# Altium PCB Fastino-DIOT.PCBDOC (part 11 of 22) (continued)
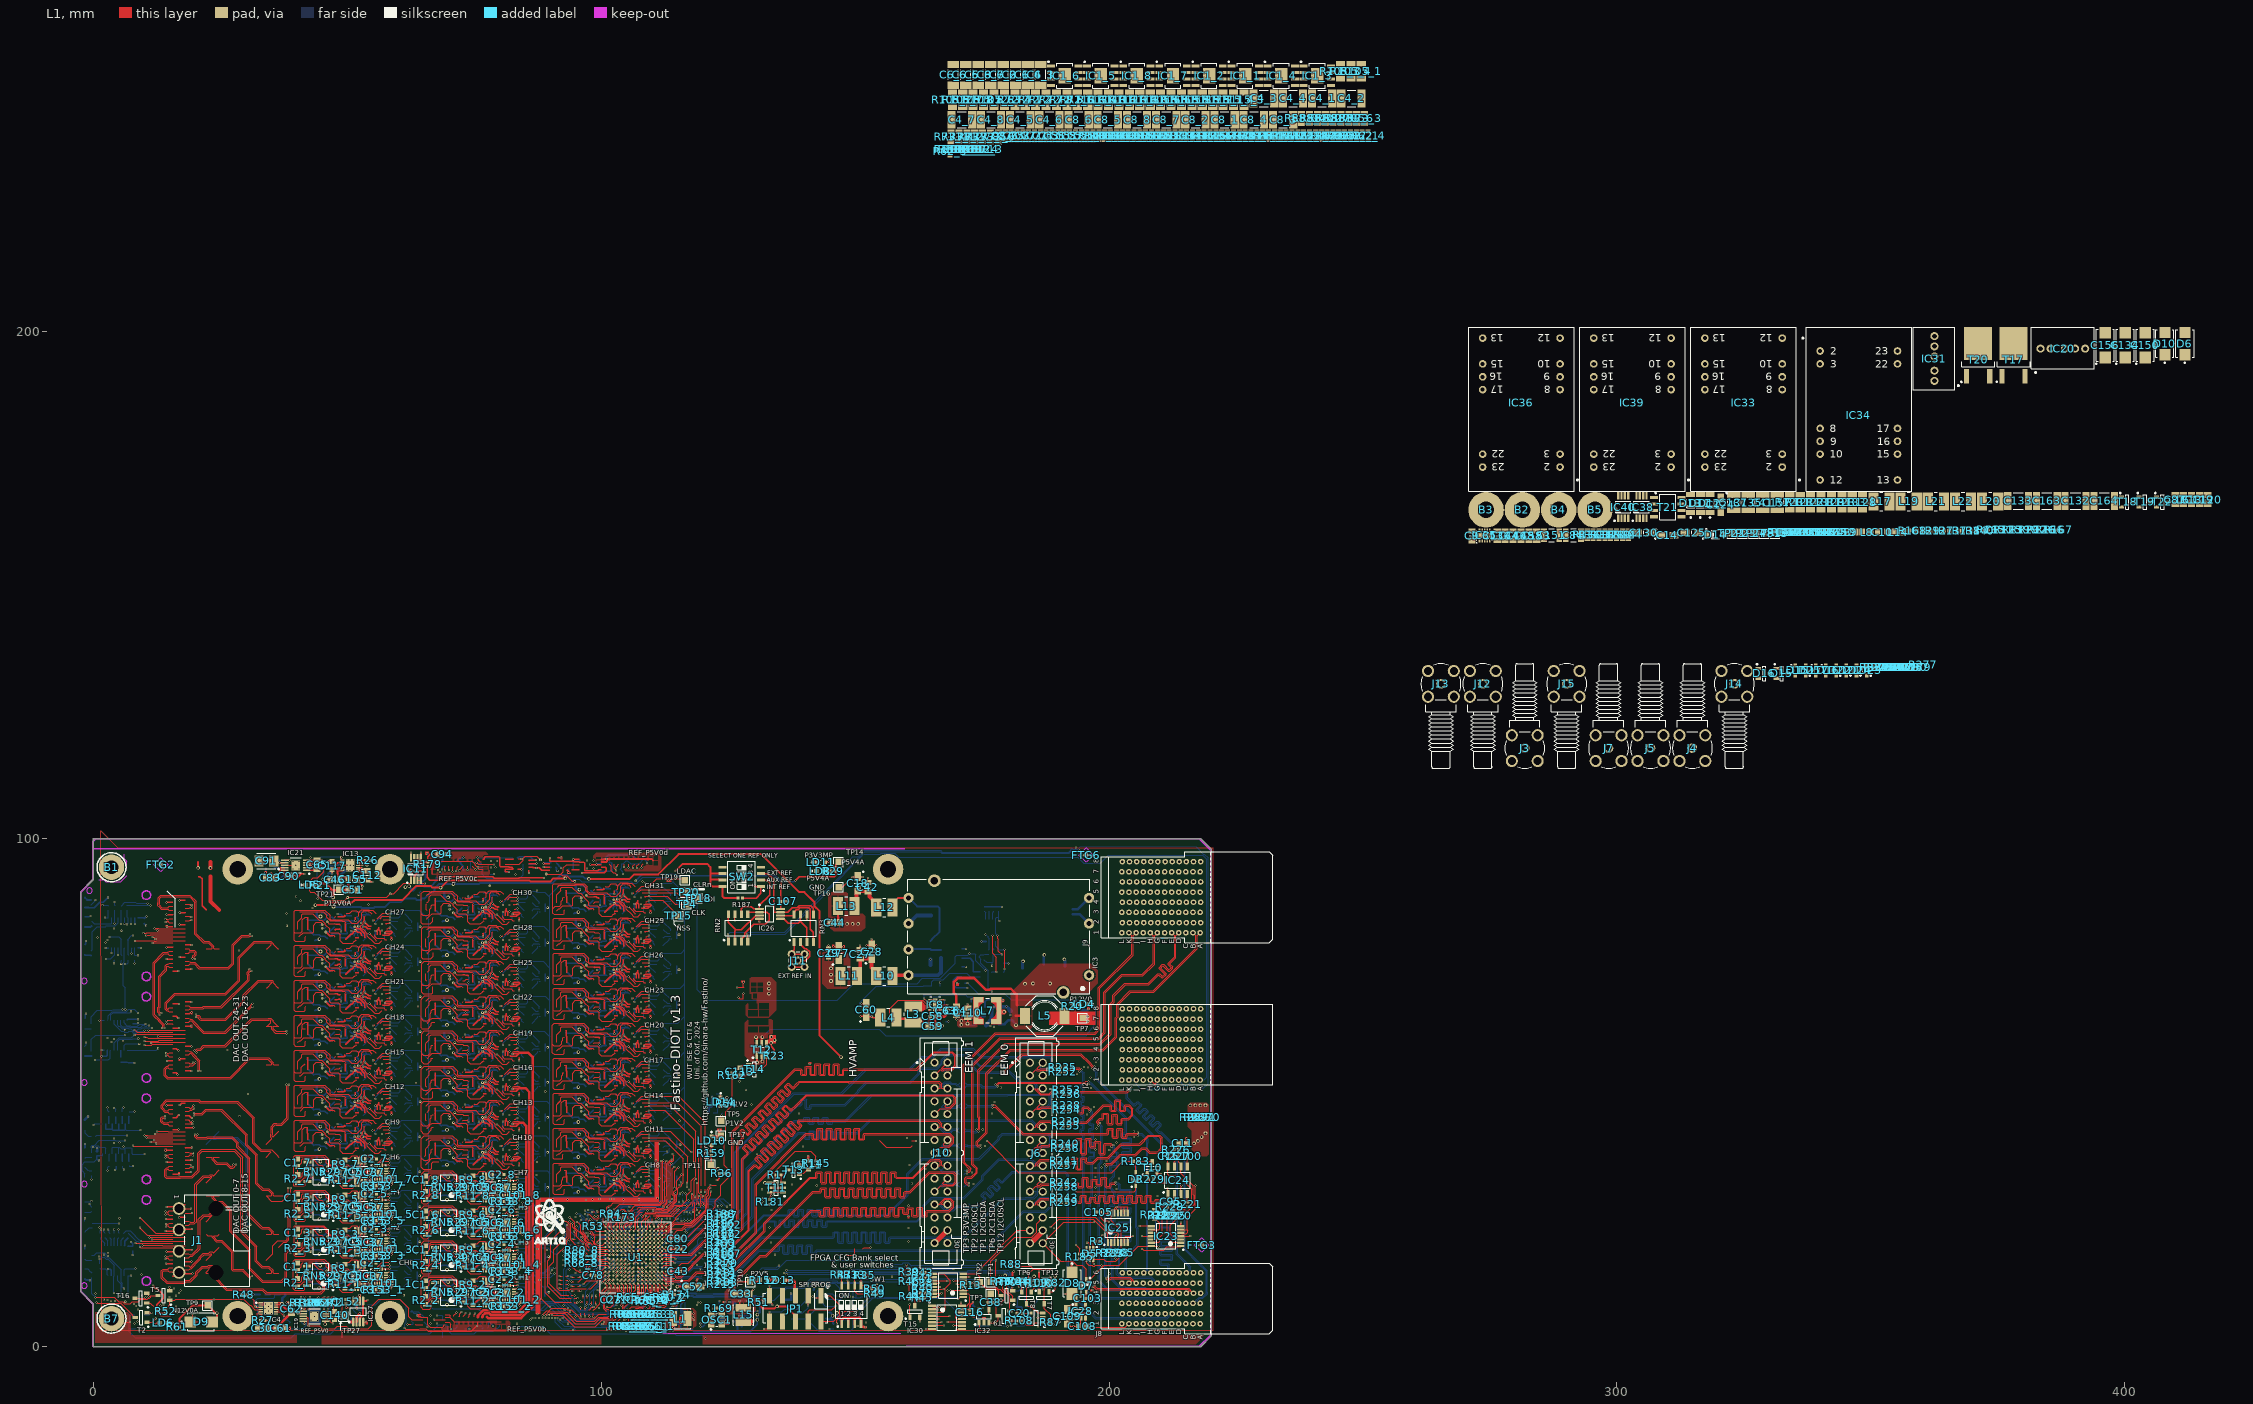
[diagram p0: L1 view]
## Nets (pads, with @x,y where several pads share a name; then routed paths per layer and width w, separated by ;. In a path a pad name is that pad's centre, name@x,y a point inside that pad or via, vN(x,y) a via of type N, cw(c..) or ccw(c..) an arc to the next point about the centre after c; other vN are vias at no path point) (continued)
NetIC37_3_1: IC37_3.1 R153_3.1 | length 2.9
  L1 w0.127: IC37_3.1@55.409,18.815 IC37_3.1@55.409,19.035 ; R153_3.1@57.457,18.087 R153_3.1@57.704,18.087
  L1 w0.152: IC37_3.1@55.409,18.815 55.409,18.785 55.767,18.427 57.117,18.427 57.457,18.087 57.484,18.06 R153_3.1@57.484,18.022
NetIC37_4_1: IC37_4.1 R153_4.1 | length 2.9
  L1 w0.127: IC37_4.1@80.56,15.743 IC37_4.1@80.56,15.962 ; R153_4.1@82.608,15.015 R153_4.1@82.855,15.015
  L1 w0.152: IC37_4.1@80.56,15.743 80.56,15.712 80.918,15.355 82.268,15.355 82.608,15.015 82.635,14.988 R153_4.1@82.635,14.949
NetIC37_5_1: IC37_5.1 R153_5.1 | length 2.9
  L1 w0.127: IC37_5.1@55.409,25.702 IC37_5.1@55.409,25.921 ; R153_5.1@57.457,24.974 R153_5.1@57.704,24.974
  L1 w0.152: IC37_5.1@55.409,25.702 55.409,25.671 55.767,25.314 57.117,25.314 57.457,24.974 57.484,24.947 R153_5.1@57.484,24.908
NetIC37_6_1: IC37_6.1 R153_6.1 | length 2.9
  L1 w0.127: IC37_6.1@80.56,22.629 IC37_6.1@80.56,22.849 ; R153_6.1@82.608,21.901 R153_6.1@82.855,21.901
  L1 w0.152: IC37_6.1@80.56,22.629 80.56,22.599 80.918,22.241 82.268,22.241 82.608,21.901 82.635,21.874 R153_6.1@82.635,21.835
NetIC37_7_1: IC37_7.1 R153_7.1 | length 2.9
  L1 w0.127: IC37_7.1@55.409,32.589 IC37_7.1@55.409,32.808 ; R153_7.1@57.457,31.86 R153_7.1@57.704,31.86
  L1 w0.152: IC37_7.1@55.409,32.589 55.409,32.558 55.767,32.201 57.117,32.201 57.457,31.86 57.484,31.834 R153_7.1@57.484,31.795
NetIC37_8_1: IC37_8.1 R153_8.1 | length 2.9
  L1 w0.127: IC37_8.1@80.56,29.516 IC37_8.1@80.56,29.735 ; R153_8.1@82.608,28.788 R153_8.1@82.855,28.788
  L1 w0.152: IC37_8.1@80.56,29.516 80.56,29.485 80.918,29.128 82.268,29.128 82.608,28.788 82.635,28.761 R153_8.1@82.635,28.722
NetIC38_1: IC38.1 IC40.1 R146.1 R150.2
NetIC38_2: IC38.2 IC40.2 R147.1 R161.2
NetIC38_3: IC38.3 IC40.3 R148.2 R202.1
NetIC38_5: IC38.5 R163.2
NetIC38_6: IC38.6 R165.2
NetIC38_7: IC38.7 R166.2
NetIC39_8: IC39.8 IC39.17 R149.2 R168.2
NetIC39_9: IC39.9 IC39.16 R149.1
NetIC40_5: IC40.5 R218.2
NetIC40_6: IC40.6 R219.2
NetIC40_7: IC40.7 R273.2
NetJ11_1: J11.1 RN3.2 | length 6.4
  L1 w0.254: J11.1@138.76,76.022 140.215,76.022 141.059,76.866 141.059,77.718 140.394,78.384 140.081,78.384 139.416,79.05 139.416,79.525 RN3.2@139.243,79.698
NetJ11_2: J11.2 RN3.1 | length 10.1
  L1 w0.254: RN3.1@137.973,79.698 137.973,78.125 137.738,77.891 J11.2@137.738,77.527 ; J11.2@140.03,74.752 J11.2@137.49,74.752 J11.2@137.49,77.292 137.504,77.292 J11.2@137.738,77.527 ; J11.2@140.03,77.292 137.973,77.292 J11.2@137.738,77.527
NetLD1_1: LD1.1 R55.2 | length 1.7
  L8 w0.127: LD1.1@-1.676,15.33 -1.672,15.326 -1.575,15.326 -1.54,15.291 -1.17,15.291 -0.658,14.778 -0.658,14.758 -0.642,14.743 -0.557,14.743 R55.2@-0.33,14.516
NetLD2_2: LD2.2 R119.1 | length 45.2
  L2 w0.127: v1(6.643,41.605) 7.143,42.105 7.143,61.88 7.484,62.221 7.484,62.624 7.788,62.928 7.788,68.662 7.458,68.991 7.458,77.378 v1(7.506,77.425)
  L8 w0.127: LD2.2@-1.676,17.191 -1.672,17.186 -1.651,17.186 -1.508,17.043 -0.374,17.043 ; 0.499,41.411 0.693,41.605 v1(6.643,41.605) ; 7.454,78.516 7.506,78.464 v1(7.506,77.425)
NetLD3_2: LD3.2 R121.1 | length 28.1
  L2 w0.127: v1(5.735,66.37) 5.735,75.098 5.862,75.225 5.862,75.524 6.121,75.783 v1(6.121,83.261)
  L8 w0.127: -0.406,63.538 -0.406,64.999 0.795,66.2 3.597,66.2 3.767,66.37 v1(5.735,66.37) ; v1(6.121,83.261) 6.121,84.383 6.154,84.416
  L8 w0.152: LD3.2@-1.676,22.652 -1.672,22.647 -1.651,22.647 -1.429,22.87 -1.315,22.87 -0.923,23.262 ; -0.923,23.263 -0.818,23.368 -0.279,23.368
NetLD4_2: LD4.2 R20.1 | length 1.5
  L1 w0.127: R20.1@192.761,67.45 194.229,67.45 LD4.2@194.262,67.417
NetLD5_2: LD5.2 R21.1 | length 1.5
  L1 w0.381: LD5.2@43.441,90.905 43.651,90.695 43.859,90.695 43.874,90.681 44.36,90.681 44.584,90.458 44.584,90.448 44.683,90.348 R21.1@44.703,90.348
NetLD6_1: LD6.1 R61.1 | length 1.7
  L1 w0.127: LD6.1@14.617,4.674 15.196,4.674 15.989,3.881 R61.1@15.989,3.861
NetLD7_1: LD7.1 R125.1 | length 0.7
  L8 w0.381: v1(-1.702,39.903) -1.698,39.9 -1.698,39.192 LD7.1@-1.676,39.17
NetLD8_2: LD8.2 R29.2 | length 1.2
  L1 w0.508: LD8.2@143.991,93.654 R29.2@145.211,93.654
NetLD9_1: LD9.1 R131.2 | length 0.9
  L8 w0.508: LD9.1@-1.676,44.64 -1.676,44.69 -1.053,45.314 v1(-1.041,45.314)
NetLD10_2: LD10.2 R159.2 | length 1.2
  L1 w0.381: R159.2@121.67,38.538 121.697,38.564 121.697,39.71 LD10.2@121.723,39.736
NetLD11_2: LD11.2 R160.2 | length 1.3
  L1 w0.254: LD11.2@144.051,95.373 144.178,95.5 v1(144.75,95.5)
  L8 w0.254: v1(144.75,95.5) R160.2@145.28,95.5
NetLD12_2: LD12.2 R139.1 | length 1.3
  L8 w0.381: LD12.2@-1.676,57.17 -1.647,57.2 -0.436,57.2 -0.406,57.229
NetLD13_2: LD13.2 R152.1 | length 1.7
  L1 w0.508: R152.1@132.804,13.106 134.423,13.106 LD13.2@134.499,13.03
NetLD14_1: LD14.1 T1.3 | length 1.6
  L1 w0.127: LD14.1@123.511,49.001 v1(123.511,49.749)
  L8 w0.127: T1.3@122.668,49.826 123.251,49.826 123.256,49.821 123.44,49.821 v1(123.511,49.749)
NetLD14_2: LD14.2 R54.2 | length 1.3
  L1 w0.127: LD14.2@123.511,47.351 124.694,47.351 R54.2@124.742,47.303
NetLD15_1: LD15.1 R278.1 | length 18.4
  L1 w0.152: v1(12.624,81.94) 12.664,81.9 15.6,81.9
  L3 w0.152: v1(5.563,81.89) 12.506,81.89 12.557,81.94 v1(12.624,81.94)
  L2 w0.152: v1(5.472,75.387) 5.517,75.433 5.517,81.844 v1(5.563,81.89)
  L8 w0.152: v1(5.472,75.387) 5.472,76.007 5.588,76.124
  L8 w0.254: -1.676,64.64 -1.665,64.652 -1.665,65.341 -1.448,65.557 v1(-1.438,65.557)
NetLD16_1: LD16.1 R279.1
NetLD17_1: LD17.1 R280.1 | length 1.4
  L8 w0.254: 5.403,58.399 5.407,58.395 5.407,56.976 5.41,56.972
NetLD18_1: LD18.1 R143.2 | length 1.7
  L8 w0.127: LD18.1@-1.676,35.362 -1.676,35.312 -1.117,34.752 -1.001,34.752 -0.856,34.608 R143.2@-0.356,34.608
NetLD20_2: LD20.2 R93.1 | length 1.6
  L8 w0.127: LD20.2@-1.676,26.497 -1.672,26.492 -1.651,26.492 R93.1@-0.521,26.492 ; R93.1@-0.521,26.492 R93.1@-0.381,26.632 R93.1@-0.521,26.492
NetLD21_1: LD21.1 R281.1 | length 1.9
  L8 w0.254: 6.084,19.863 6.182,19.961 6.182,20.717 6.482,21.017 6.482,21.082 6.813,21.412 6.833,21.412
NetLD22_1: LD22.1 R282.1 | length 1.8
  L8 w0.152: 5.434,19.863 5.434,20.948 5.898,21.412 5.918,21.412
NetLD23_1: LD23.1 R283.1
NetLD24_1: LD24.1 R284.1
NetLD25_1: LD25.1 R285.1
NetOSC1_3: OSC1.3 R169.1 | length 1.5
  L1 w0.127: R169.1@123.662,7.571 123.662,6.253 OSC1.3@123.76,6.155
NetR17_1: R17.1 T11.3 T13.3 | length 3.6
  L1 w0.127: R17.1@135.37,33.8 135.8,33.8 136.313,34.313 136.313,34.563 136.5,34.75 T13.3@136.75,34.75 ; R17.1@135.5,33.75 135.5,32.437 135.687,32.25 T11.3@135.8,32.25
NetR22_1: R22.1 R38.2 | length 1.1
  L8 w0.254: R22.1@33.72,10.25 34.736,10.25 R38.2@34.823,10.338
NetR23_1: R23.1 T12.3 T14.3 | length 4.8
  L1 w0.127: T14.3@131.35,54.6 131.55,54.6 132.55,55.6 T12.3@132.55,57.017 ; T12.3@132.55,57.2 T12.3@132.55,57.017 ; R23.1@134.1,56.83 132.737,56.83 T12.3@132.55,57.017
NetR30_2: R30.2 T16.3 | length 94.2
  L1 w0.127: T16.3@8.174,9.525 10.035,9.525 10.172,9.661 v1(10.211,9.661)
  L3 w0.127: v1(0.365,10.458) 2.497,10.458 2.831,10.125 4.889,10.125 5.256,10.492 9.763,10.492 10.203,10.052 10.203,9.669 v1(10.211,9.661)
  L2 w0.127: v1(0.365,10.458) -0.33,11.154 -0.33,24.454 -1.795,25.918 -1.795,30.489 -1.06,31.224 -1.06,31.768 -1.043,31.854 ccw(c-1.8,32) -1.034,32.084 ccw(c-1.248,32.059) -1.034,32.087 -1.037,32.108 ccw(c-1.25,32.081) -1.037,32.111 ccw(c-1.8,32) -1.043,32.146 -1.06,32.232 -1.06,40.958 -1.795,41.693 -1.795,50.656 -0.353,52.098 -0.353,69.199 -0.059,69.493 -0.059,87.494 v1(0.432,87.986)
  L8 w0.127: R30.2@-0.548,86.982 R30.2@-0.5,87.03 -0.48,87.03 0.432,87.942 v1(0.432,87.986)
NetR33_2: R33.2 R49.1 SW1.6 | length 6.4
  L1 w0.127: R33.2@149.911,13.627 SW1.6@149.911,12.04 149.911,10.897 150.444,10.363 R49.1@153.352,10.363
NetR35_2: R35.2 R50.1 SW1.5 | length 4.7
  L1 w0.127: R35.2@151.943,13.576 151.255,13.576 151.181,13.502 SW1.5@151.181,12.04 152.712,12.04 153.352,11.399 R50.1@153.352,11.379
NetR57_1: R57.1 R63.2 | length 1.3
  L8 w0.152: R63.2@48.285,89.789 49.543,89.789 R57.1@49.593,89.84
NetR68_1: R68.1 T3.1 T4.3 | length 5.9
  L8 w0.254: T3.1@171.011,76.438 171.016,76.432 172.039,76.432 172.044,76.438 172.661,76.438 173.311,75.788 T4.3@173.311,73.813 173.326,73.798 174.596,73.798 R68.1@174.611,73.783
NetR70_1: R70.1 T6.1 | length 3.6
  L1 w0.127: R70.1@179.883,12.23 179.896,12.217 179.896,11.034 181.028,9.902 T6.1@181.028,9.122
NetR76_1: R76.1 R77.2 T1.1 | length 2.7
  L8 w0.127: R77.2@122.095,46.067 R76.1@122.981,46.067 122.981,46.889 123.211,47.119 123.382,47.119 123.618,47.355 T1.1@123.618,47.526
NetR82_1: R82.1 T7.1 | length 2.2
  L1 w0.127: T7.1@188.187,10.765 188.912,10.765 189.396,11.249 R82.1@189.396,12.066
NetR101_2: R101.2 R103.1 T4.1 | length 6
  L8 w0.254: T4.1@171.011,72.863 170.061,72.863 169.336,72.138 169.336,71.213 169.906,70.643 R101.2@170.636,70.643 R103.1@171.586,70.643 171.597,70.632 172.162,70.632 v1(172.173,70.622)
NetR108_1: R108.1 T9.1 | length 1.4
  L1 w0.127: T9.1@180.469,5.109 180.509,5.068 R108.1@181.877,5.068
NetR109_1: R109.1 T8.1 | length 1.6
  L1 w0.127: T8.1@184.707,10.734 184.707,10.934 185.281,11.508 R109.1@185.281,12.066
NetR115_1_2: R115_1.2 R116_1.1
NetR115_2_2: R115_2.2 R116_2.1
NetR115_3_2: R115_3.2 R116_3.1
NetR115_4_2: R115_4.2 R116_4.1
NetR115_5_2: R115_5.2 R116_5.1
NetR115_6_2: R115_6.2 R116_6.1
NetR115_7_2: R115_7.2 R116_7.1
NetR115_8_2: R115_8.2 R116_8.1
NetR117_1: R117.1 R142.2 | length 0.9
  L8 w0.254: R142.2@34.395,96.06 R117.1@35.276,96.06
NetR120_1: R120.1 R123.2
NetR121_2: R121.2 R122.1
NetR123_1: R123.1 T17.3
NetR124_1: R124.1 R126.2 T18.1
NetR128_2: R128.2 R131.1
NetR129_1: R129.1 R133.2
NetR130_2: R130.2 R132.2 T19.2
NetR133_1: R133.1 T20.3
NetR167_1: R167.1 R201.2 T22.3
NetR167_2: R167.2 T21.4
NetR202_2: R202.2 T22.1 | length 23.4
  L1 w0.127: 151.498,19.228 151.77,19.5 v1(153,19.5)
  L5 w0.127: v1(153,19.5) 153.25,19.75 153.25,39.134 154.73,40.615
NetR220_1: R220.1 R225.2 | length 1.7
  L1 w0.127: R225.2@212.25,25.25 212.51,25.25 213.48,26.22 R220.1@213.5,26.22
NetR274_2: R274.2 R275.1 | length 21.6
  L1 w0.127: v1(8.128,62.357) 8.585,61.9 15.6,61.9
  L2 w0.127: v1(8.103,75.413) 8.103,69.065 8.296,68.872 8.296,62.598 8.128,62.431 v1(8.128,62.357)
  L8 w0.127: v1(8.103,75.413) 8.103,76.073 8.128,76.098
NetR297_1_1: R297_1.1 RN5_1.2 | length 1.2
  L1 w0.127: RN5_1.2@47.473,13.284 47.578,13.39 48.487,13.39 R297_1.1@48.603,13.506
NetR297_2_1: R297_2.1 RN5_2.2 | length 1.3
  L1 w0.127: RN5_2.2@72.678,10.043 72.822,10.187 73.696,10.187 R297_2.1@73.857,10.348
NetR297_3_1: R297_3.1 RN5_3.2 | length 1.2
  L1 w0.127: RN5_3.2@47.527,20.003 48.002,20.003 48.307,20.308 48.562,20.308 R297_3.1@48.603,20.266
NetR297_4_1: R297_4.1 RN5_4.2 | length 1.2
  L1 w0.127: RN5_4.2@72.678,16.93 72.78,17.032 73.643,17.032 R297_4.1@73.805,17.193
NetR297_5_1: R297_5.1 RN5_5.2 | length 1.2
  L1 w0.127: RN5_5.2@47.527,26.889 47.764,27.126 48.588,27.126 R297_5.1@48.603,27.111
NetR297_6_1: R297_6.1 RN5_6.2 | length 1.3
  L1 w0.127: RN5_6.2@72.678,23.817 72.822,23.96 73.696,23.96 R297_6.1@73.857,24.122
NetR297_7_1: R297_7.1 RN5_7.2 | length 1.2
  L1 w0.127: RN5_7.2@47.527,33.776 47.671,33.919 48.483,33.919 R297_7.1@48.603,34.039
NetR297_8_1: R297_8.1 RN5_8.2 | length 1.3
  L1 w0.127: RN5_8.2@72.678,30.703 72.863,30.888 73.643,30.888 R297_8.1@73.805,31.05
OUT0: J3.1 R72_1.2
OUT1: J4.1 R72_2.2
OUT2: J5.1 R72_3.2
OUT3: J7.1 R72_4.2
OUT4: J12.1 R72_5.2
OUT5: J13.1 R72_6.2
OUT6: J14.1 R72_7.2
OUT7: J15.1 R72_8.2
OUT_CTRLn0: R118_1.1 R278.2
OUT_CTRLn1: R118_2.1 R279.2
OUT_CTRLn2: R118_3.1 R280.2
OUT_CTRLn3: R118_4.1 R281.2
OUT_CTRLn4: R118_5.1 R282.2 | length 13.4
  L1 w0.152: v1(9.32,20.776) 9.387,20.776 9.463,20.7 18.11,20.7
  L8 w0.152: 5.918,22.352 5.938,22.352 6.413,22.827 6.42,22.827 6.438,22.845 7.227,22.845 8.2,21.872 8.2,21.721 8.872,21.049 8.986,21.049 9.259,20.776 v1(9.32,20.776)
OUT_CTRLn5: R118_6.1 R283.2
OUT_CTRLn6: R118_7.1 R284.2
OUT_CTRLn7: R118_8.1 R285.2
OUT_SW_VCC: LD15.2 LD16.2 LD17.2 LD21.2 LD22.2 LD23.2 LD24.2 LD25.2 | length 4.3
  L8 w0.127: -1.676,62.64 -1.672,62.635 -1.651,62.635 -0.443,62.635 -0.406,62.598
  L8 w0.381: -1.676,77.161 -1.692,77.146 -1.606,77.06 -0.552,77.06 -0.457,76.965 ; -1.676,82.644 -1.676,82.641 -1.674,82.639 -0.535,82.639 ; -0.535,82.639 -0.373,82.801 ; -0.535,82.639 -0.373,82.801 ; -0.373,82.801 -0.353,82.801 -0.373,82.801
P1V2: C22.2 C23.2 C24.2 C25.2 C72.2 C73.1 C74.2 C75.2 C82.1 L1.2 R76.2 R111.1 R112.2 R145.1 R234.2 TP5.1 U1.A14 U1.F6 U1.F10 U1.K6 U1.K10 U1.L2 | length 128.7
  L1 w0.127: v1(101.888,10.211) 101.888,9.762 C23.2@102,9.65 102.246,9.896 102.246,10.017 102.4,10.17 102.4,11.493 U1.A14@102.413,11.506 ; v1(105.258,19.126) 105.266,19.126 105.592,18.8 U1.K10@105.6,18.8 ; v1(105.283,15.265) 105.283,15.274 105.6,15.591 U1.F10@105.6,15.6 ; U1.F6@108.8,15.621 108.821,15.621 109.152,15.952 v1@109.152,15.973 ; U1.K6@108.8,18.8 108.8,18.804 109.169,19.173 v1(109.169,19.177) ; U1.L2@112,19.6 112,19.583 112.379,19.204 v1(112.379,19.187) ; v1@112.395,19.202 114.554,19.202 C22.2@114.605,19.253 ; L1.2@117.279,5.715 117.305,5.74 v1(118.119,5.74) ; v1(118.196,6.477) 117.721,6.477 117.721,6.201 L1.2@117.025,5.505 117.28,5.25 v1(118.25,5.25) ; TP5.1@123.592,44.43 123.753,44.591 123.684,44.661 v1(123.684,45.468) ; v1(133,33.25) 138.25,38.5 141.25,38.5 142.25,37.5 142.25,36.62 R145.1@142.3,36.57
  L5 w0.127: v1(101.888,10.211) 101.888,11.337 102.641,12.09 ; v1(105.258,19.126) 105.574,18.81 108.802,18.81 ; v1(105.283,15.265) 104.791,14.773 104.264,14.773 103.99,14.5 103.99,13.97 102.641,12.621 102.641,12.09 ; v1@109.118,16.081 108.802,16.398 108.802,18.81 ; v1@109.169,19.152 109.144,19.152 108.802,18.81 ; v1(109.169,19.177) 109.564,18.782 110.63,18.782 110.657,18.81 112.002,18.81 112.386,19.193 112.665,18.913 112.665,18.831 112.928,18.568 112.928,11.914 114.246,10.596 114.246,8.996 v1(114.241,8.99) ; v1(109.2,16) 109.585,15.615 109.585,14.265 109.35,14.03 108.245,14.03 107.91,13.695 107.91,12.773 107.228,12.09 102.641,12.09 ; v1@114.246,8.992 115.062,8.992 115.711,9.64 116.662,9.64 117.77,8.532 117.99,8.532 118.121,8.663 119.026,8.663 v1@119.05,8.687 ; v1@120.574,22.228 120.543,22.258 120.543,26.023 123.047,28.527 123.047,33.569 121.8,34.816 121.8,38.25 ; v1@123.673,45.457 121.8,43.584 121.8,38.25 ; v1(133,33.25) 132.5,33.25 127.5,38.25 121.8,38.25
  L8 w0.127: 101.879,9.398 101.888,9.407 v1(101.888,10.211) ; R111.1@104.089,17.577 104.096,17.584 105.134,17.584 C75.2@105.15,17.6 ; C75.2@105.181,17.678 105.072,17.678 104.904,17.846 104.904,18.191 104.893,18.202 104.893,18.761 v1(105.258,19.126) ; v1(105.283,15.265) 105.623,14.926 105.623,13.459 105.673,13.408 105.673,12.252 R112.2@105.588,12.167 ; 105.335,15.485 105.766,15.916 C24.2@105.766,15.926 ; C25.2@108.55,16 v1(109.2,16) ; v1(112.379,19.187) 112.395,19.202 114.579,19.202 C72.2@114.605,19.228 ; R234.2@113.5,8.47 113.97,8.47 114.188,8.688 114.188,8.938 v1(114.241,8.99) ; C72.2@115.019,19.838 115.019,20.013 115.91,20.904 117.515,20.904 118.838,22.228 v1(120.543,22.228) ; v1@123.673,45.457 v1(123.684,45.468) 123.695,45.479 123.695,45.84 R76.2@123.921,46.067
  L8 w0.508: v1(101.888,10.211) 102,10.099 C74.2@102,8.75
  other v1: 118.876,8.161 119.075,8.663 119.583,8.663
P1V2LX: IC29.3 L1.1 | length 1.8
  L1 w0.127: L1.1@114.175,5.505 114.25,5.43 v1(114.25,3.75)
  other v1: 113.792,3.8
P2V5: C33.1 C43.2 C76.2 C78.2 C79.2 C80.2 C258.1 L15.2 R152.2 R162.1 R381.2 TP10.1 U1.E1 U1.E12 U1.G6 U1.J6 U1.N1 | length 107.9
  L1 w0.127: C78.2@98.85,14 98.866,14.016 v1(99.466,14.016) ; v1@103.648,14.427 103.648,14.448 103.979,14.779 U1.E12@104,14.779 ; v1@108.427,16.752 108.448,16.752 108.779,16.421 U1.G6@108.779,16.4 ; U1.J6@108.8,18.021 108.824,18.021 109.152,18.349 v1@109.152,18.373 ; C80.2@114.625,21.282 115.157,20.75 116.5,20.75 116.75,21 116.75,21.25 121.75,26.25 121.75,26.75 122.5,27.5 122.5,28.75 123.584,29.834 123.584,31.775 123.584,31.795 125.25,33.462 125.25,34.75 124.25,35.75 124.25,40.687 124.5,40.937 124.5,46.25 125.073,46.823 125.131,46.823 125.8,47.492 R162.1@125.8,52.93
  L1 w0.254: U1.E1@112.8,14.8 C43.2@114.7,14.8 ; U1.N1@112.8,21.2 112.828,21.228 113.211,21.228 113.257,21.273 v1(113.296,21.273) ; v1@113.316,21.237 113.364,21.285 113.388,21.285 113.693,21.59 114.069,21.59 114.195,21.465 114.442,21.465 C80.2@114.625,21.282 ; v1(125.146,10.918) 125.166,10.898 125.802,10.898 C33.1@126.3,10.4 v1@126.3,11.439 ; v1(126.136,11.439) 126.136,11.479 126.3,11.643 126.3,11.938 127.088,12.725 TP10.1@129.362,12.725 130.732,12.725 130.74,12.733 130.881,12.733 131.204,13.056 R152.2@131.204,13.106 ; v1(127.25,9) 127.25,8.293 127.898,7.645 L15.2@127.991,7.645
  L2 w0.127: v1@99.45,14.011 102.168,14.011 102.413,14.256 102.413,14.573 102.657,14.818 103.182,14.818 v1(103.6,14.4)
  L6 w0.127: v1@103.602,14.402 103.967,14.767 104.549,14.767 104.846,15.064 104.846,15.381 105.143,15.677 107.277,15.677 v1(108.4,16.8) ; 106.985,14.351 107.326,14.009 108.947,14.009 108.968,14.03 110.589,14.03 110.609,14.009 112.621,14.009 v1(113.318,14.707) 111.846,14.707 111.743,14.81 111.438,14.81 111.191,15.057 111.191,15.362 110.943,15.609 109.038,15.609 108.4,16.248 v1(108.4,16.8) ; v1@108.404,18.382 108.404,16.804 v1(108.4,16.8) ; v1@108.411,18.389 v1(109.195,18.389) 109.536,18.73 109.536,18.991 109.561,19.017 109.561,19.334 109.79,19.563 110.611,19.563 110.657,19.61 112.273,19.61 112.322,19.658
  L6 w0.254: 112.322,19.658 112.806,20.142 112.806,20.654 112.86,20.708 112.86,20.837 v1(113.296,21.273) ; v1@113.324,21.246 113.669,21.59 114.069,21.59 119.285,16.375 119.285,16.231 120.015,15.501 120.015,13.03 120.548,12.497 120.548,8.255
  L8 w0.127: C79.2@108.375,17.601 v1@108.375,18.351 ; v1@108.587,18.313 C76.2@109.283,17.618
  L8 w0.254: R381.2@123.25,8.22 v1(123.25,9) ; v1(127.25,9) C258.1@127.75,9 ; C258.1@128.25,9 v1(128.75,9)
  other v1: 108.408,18.389
P2V5LX: IC18.3 L15.1 | length 5.9
  L1 w0.254: v1(129.75,4.5) 128.286,4.5 L15.1@127.991,4.795 128.483,5.288 129.364,5.288 129.624,5.028 129.972,5.028 v1(130,5)
  L8 w0.254: IC18.3@128.55,5.05 128.75,5.05 129.327,5.05 129.75,4.627 v1(129.75,4.5) ; 129.908,5.191 130,5.099 v1(130,5)
  other v1: 129.801,5.485
P3V3: C16.2 C17.2 C52.1 C53.2 C54.2 C55.2 C56.2 C57.2 C67.2 C70.2 C71.2 C85.2 C86.2 C145.2 C146.2 C170.2 D14.2 IC6.3 IC6.7 IC6.8 IC35.8 IC35.10 JP1.6 L20.2 OSC1.1 OSC1.4 R36.1 R49.2 R50.2 R51.1 R53.1 R54.1 R74.1 R78.1 R84.1 R103.2 R110.1 R138.2 R139.2 R159.1 R204.2 T12.1 T12.2 T12.5 T12.6 TP11.1 U1.A3 U1.A8 U1.A13 U1.C15 U1.F8 U1.H10 U1.H15 U1.K8 U1.N15 U1.P3 U1.R8 U1.R13 | length 333.3
  L1 w0.254: v1(101.295,17.475) 101.31,17.475 101.585,17.2 U1.H15@101.6,17.2 ; v1@102.827,23.152 102.848,23.152 U1.R13@103.2,22.8 ; v1(105.258,16.866) 105.262,16.866 105.596,17.2 U1.H10@105.6,17.2 ; U1.K8@107.2,18.8 107.552,19.152 v1@107.552,19.172 ; U1.R8@107.2,22.8 v1@107.552,23.152 ; U1.P3@111.2,22 111.21,22 111.61,22.4 v1(111.619,22.4) ; OSC1.1@121.66,4.455 121.66,5.938 OSC1.4@122.022,6.299 ; OSC1.4@122.022,6.325 122.047,6.299 v1(122.631,6.299) ; v1@122.7,32.8 122.925,32.8 123.279,33.154 R36.1@123.279,34.088
  L1 w0.381: v1(98.255,24.676) 98.255,24.671 98.306,24.62 98.306,24.28 98.405,24.181 R53.1@98.425,24.181 ; v1@101.191,12.791 U1.C15@101.6,13.2 ; v1@101.2,21.601 U1.N15@101.6,21.201 ; C71.2@103.2,9.65 103.267,9.717 103.267,10.702 103.2,10.769 U1.A13@103.2,11.6 ; C57.2@107.2,9.65 107.21,9.66 107.21,11.065 107.212,11.067 107.204,11.075 107.204,11.596 U1.A8@107.2,11.6 ; U1.F8@107.2,15.6 v1(107.6,15.2) ; C70.2@111.2,9.6 111.19,9.61 111.19,11.59 U1.A3@111.2,11.6 ; v4(114.98,11.817) 116.643,11.817 C52.1@116.802,11.976 ; R159.1@121.67,37.598 121.67,35.961 TP11.1@121.546,35.837 122.42,34.962 v4@122.952,34.962 ; R54.1@124.742,48.243 v4(124.742,49.01) ; v5@130.5,61 130.5,60.995 130.65,60.845 T12.6@130.65,59.8 ; T12.1@130.65,57.2 130.65,56.1 v5@130.75,56 ; R51.1@131,8.28 131.02,8.28 131.8,7.5 134.134,7.5 134.559,7.925 v4(134.645,7.925) 136.3,7.925 138.001,6.223 JP1.6@138.151,6.223 ; T12.2@131.6,57.2 131.66,57.141 131.66,56.34 v5@131.75,56.25 ; T12.5@131.6,59.8 131.6,60.845 131.75,60.995 v5@131.75,61 ; R49.2@154.292,10.363 R50.2@154.292,11.379 v4(154.292,12.065) ; v1(178.598,13.94) 178.598,13.935 178.659,13.874 178.659,13.448 178.758,13.348 R78.1@178.778,13.348 ; v1(181.238,14.757) 181.238,14.752 180.988,14.502 R74.1@180.988,13.349 R84.1@182.233,13.349 ; v1(186.207,14.757) 186.211,14.754 186.211,13.015 R110.1@186.246,12.98
  L3 w0.254: v1(101.2,21.602) v1@101.24,21.602 ; v1(111.619,22.4) 111.659,22.439 v1@111.681,22.439
  L3 w0.381: v1(98.255,24.676) 98.258,24.673 98.258,23.972 98.848,23.383 99.29,23.383 99.501,23.594 99.944,23.594 100.299,23.239 100.299,22.925 100.654,22.57 ; v1@101.291,17.48 101.295,17.484 101.295,18.942 100.651,19.586 100.651,21.051 101.2,21.6 100.654,22.146 100.654,22.57 ; v1(101.295,17.475) 101.295,15.71 100.676,15.091 100.676,13.331 101.2,12.807 v1(101.2,12.802) 103.267,10.734 103.267,10.281 v1(103.271,10.278) 104.796,10.278 105.272,10.754 106.902,10.754 107.207,11.059 107.207,11.067 107.21,11.064 107.222,11.064 107.467,11.309 109.264,11.309 109.93,10.643 111.088,10.643 v4(111.23,10.501) 112.43,11.7 113.625,11.7 113.742,11.817 v4(114.98,11.817) ; v1@102.819,23.173 101.257,23.173 100.654,22.57 ; v1(102.827,23.173) 105.22,23.173 105.78,23.733 106.72,23.733 107.256,23.196 ; v1(107.569,23.19) 107.574,23.19 107.837,23.453 107.888,23.453 108.142,23.708 110.021,23.708 110.077,23.652 110.348,23.652 111.334,22.666 111.348,22.666 111.611,22.404 v1@111.611,22.4 ; v1@107.569,23.196 107.256,23.196 ; v1(107.6,15.2) 107.596,15.204 106.872,15.204 105.51,16.566 105.51,16.608 105.258,16.86 v1(105.258,16.866) 106.517,18.125 106.517,19.607 106.8,19.89 ; v1(107.6,19.2) 107.595,19.2 107.174,19.621 107.069,19.621 106.8,19.89 ; v1@111.681,22.439 112.66,23.419 117.348,23.419 120.777,19.99 120.777,11.303 122.631,9.449 v1(122.631,6.299) 125.4,6.299 126.618,7.518 130.964,7.518 130.982,7.5 134.221,7.5 v4(134.645,7.925) 137.996,7.925 ; v4@124.8,48.92 124.742,48.862 124.742,45.946 125.298,45.39 125.298,38.329 123,36.03 v4(123,35) 128.269,35 ; v4@141.933,11.862 137.996,7.925 ; v4(141.94,11.869) 142.027,11.869 142.374,11.522 151.177,11.522 151.897,12.243 152.935,12.243 153.113,12.065 v4@154.28,12.065 ; v4(145.567,6.071) 139.85,6.071 137.996,7.925 ; v1(178.598,13.94) 178.598,13.945 178.86,14.207 178.86,14.272 179.345,14.757 v1(181.238,14.757) v1(186.207,14.757) ; 106.8,19.89 106.8,22.74 107.256,23.196
  L5 w0.381: v4(154.292,12.065) 158.185,12.065 159.25,11 163.75,11 166.5,13.75 169.5,13.75 169.992,14.242 174.508,14.242 175.75,13 176.403,13 ; 176.403,13.03 176.454,13.081 176.936,13.081 177.796,13.94 v1(178.598,13.94)
  L8 w0.127: v5(131.726,60.928) 133.298,62.5 154.75,62.5 156,61.25 195.5,61.25 195.713,61.463 195.75,61.5 197.304,63.588 ccw(c196.75,64) 197.407,63.788 197.407,66.702 195.841,68.269 180.706,68.269 179.475,69.5 174.233,69.5 v1(172.151,71.582)
  L8 w0.254: v1(102.827,23.173) 102.827,23.177 C54.2@103.3,23.65 ; C85.2@122.26,5.325 122.26,5.889 122.631,6.26 v1(122.631,6.299) ; R103.2@171.586,71.583 v1(172.151,71.582)
  L8 w0.381: C53.2@99.923,21.602 v1(101.2,21.602) ; C55.2@100.55,17.6 100.669,17.481 101.285,17.481 101.29,17.475 v1(101.295,17.475) ; C56.2@106.8,19.25 106.846,19.204 107.596,19.204 v1(107.6,19.2) ; 107.725,23.351 107.725,23.981 C16.2@107.844,24.1 ; v1(111.619,22.4) C67.2@112.35,22.4 ; v4(134.645,7.925) 134.691,7.97 135.631,7.97 C17.2@135.636,7.976 ; C17.2@135.7,8.015 135.72,7.996 137.115,7.996 IC6.3@137.16,7.95 ; IC6.3@137.643,8.001 IC6.3@137.863,8.001 ; R204.2@141.821,11.125 141.881,11.185 141.881,11.809 v4(141.94,11.869) ; IC6.8@144.28,5.545 144.389,5.436 IC6.8@144.589,5.436 144.698,5.326 145.424,5.326 145.631,5.119 145.631,4.569 C86.2@145.75,4.45 ; IC6.7@144.805,6.731 145.063,6.731 145.506,6.288 145.506,6.132 v4(145.567,6.071) 145.567,6.02 IC6.8@145.11,5.563
  other v1: 107.213,11.06 122.657,32.791
  other v5: 130.676,55.978 131.726,56.178 130.476,60.928
P3V3_buck: C81.2 C110.2 C121.2 C257.2 IC18.4 IC29.1 IC29.4 L7.2 R17.2 R23.2 R151.2 T11.4 T12.4 | length 59.7
  L1 w0.254: v5(133.5,61) 133.425,61 133.206,60.781 133.206,60.344 132.769,60.344 132.55,60.125 T12.4@132.55,59.8 v5(133.45,59.8) 133.45,59.107 134.1,58.457 R23.2@134.1,57.77 ; v5@134.25,32.5 134.25,33.468 134.267,33.485 134.267,33.637 R17.2@134.43,33.8 ; v5(170.917,64.16) 171.121,64.365 171.52,64.365 171.996,64.841 C110.2@172.171,64.841 172.136,64.806 v5(172.136,63.602)
  L1 w0.381: v5(132.25,32.25) T11.4@133.2,32.25 v5(134.25,32.25)
  L8 w0.254: v5(172.136,63.602) 172.256,63.602 172.572,63.286 173.573,63.286 173.573,63.645 173.645,63.717 174.004,63.717 174.076,63.789 174.076,64.148 174.098,64.17 174.098,64.719 173.949,64.868 172.998,64.868 R151.2@172.896,64.971
  L8 w0.381: C81.2@113.5,5.95 113.55,6 114.75,6 IC29.4@114.8,6.05 114.8,9.05 115.75,10 118,10 118.25,9.75 122.155,9.75 122.297,9.892 125.901,9.892 126.026,9.768 130.233,9.768 131.267,8.733 131.267,6.786 130.765,6.283 v4(130.734,6.283) v4(130.734,5.283) 130.727,5.276 130.727,4.362 129.362,2.997 127.965,2.997 ; IC29.1@116.7,3.45 116.75,3.5 117.747,3.5 118.25,2.997 127.965,2.997 ; IC18.4@125.95,5.05 126.06,4.94 126.31,4.94 126.681,4.569 C257.2@126.681,4.069 ; 126.75,3 126.8,3.05 C257.2@126.8,4
  other v5: 134.134,60.36 170.942,63.373
P3V3_INIT: C115.2 R181.1 T11.1 T11.2 T11.5 T11.6 U1.N13 | length 48.5
  L1 w0.127: T11.6@132.75,30.25 132.85,30.35 T11.6@133.2,30.35 T11.6@133.314,30.35 ; T11.5@133.2,31.3 133.25,31.3 134.426,31.3 T11.2@135.8,31.3 ; R181.1@133.3,29 133.3,29.539 133.5,29.739 133.5,30.164 T11.6@133.314,30.35 ; 134.426,31.25 134.426,30.426 134.35,30.35 ; T11.1@135.8,30.35 134.35,30.35 ; T11.6@133.314,30.35 134.35,30.35
  L1 w0.381: v1(102.794,21.59) 102.797,21.586 102.808,21.586 103.195,21.2 U1.N13@103.2,21.2
  L3 w0.127: v1(105.6,27.5) 105.9,27.2 112.4,27.2 112.5,27.1 113.5,27.1 114,27.6 115.7,27.6 115.9,27.4 116.9,27.4 117,27.3 117.4,27.3 119.1,29 121.2,29 121.4,28.8 128.75,28.8 130.05,27.5 133,27.5 133.5,28 v1(133.5,29.75)
  L8 w0.127: 102.404,25.104 102.404,25.454 C115.2@102.65,25.7 103.596,26.646 103.596,26.741 104.356,27.5 v1(105.6,27.5) ; 102.416,25.1 102.416,22.796 102.4,22.781 102.4,22.5 102.397,22.497 102.397,22.03 102.794,21.634 v1(102.794,21.59)
P3V3_LX: C102.2 IC22.2 L7.1 | length 6.4
  L1 w0.508: L7.1@178.331,66.159 178.331,67.826 178.552,68.047 179.028,68.047 v1(179.134,68.153)
  L1 w1: L7.1@178.356,65.908 v4(179.349,65.908)
  L8 w0.508: C102.2@177.556,68.366 178.922,68.366 v1(179.134,68.153) ; IC22.2@178.256,65.966 178.277,65.945 179.312,65.945 v4(179.349,65.908)